# KiCad board Win-split-right.kicad_pcb (continued)
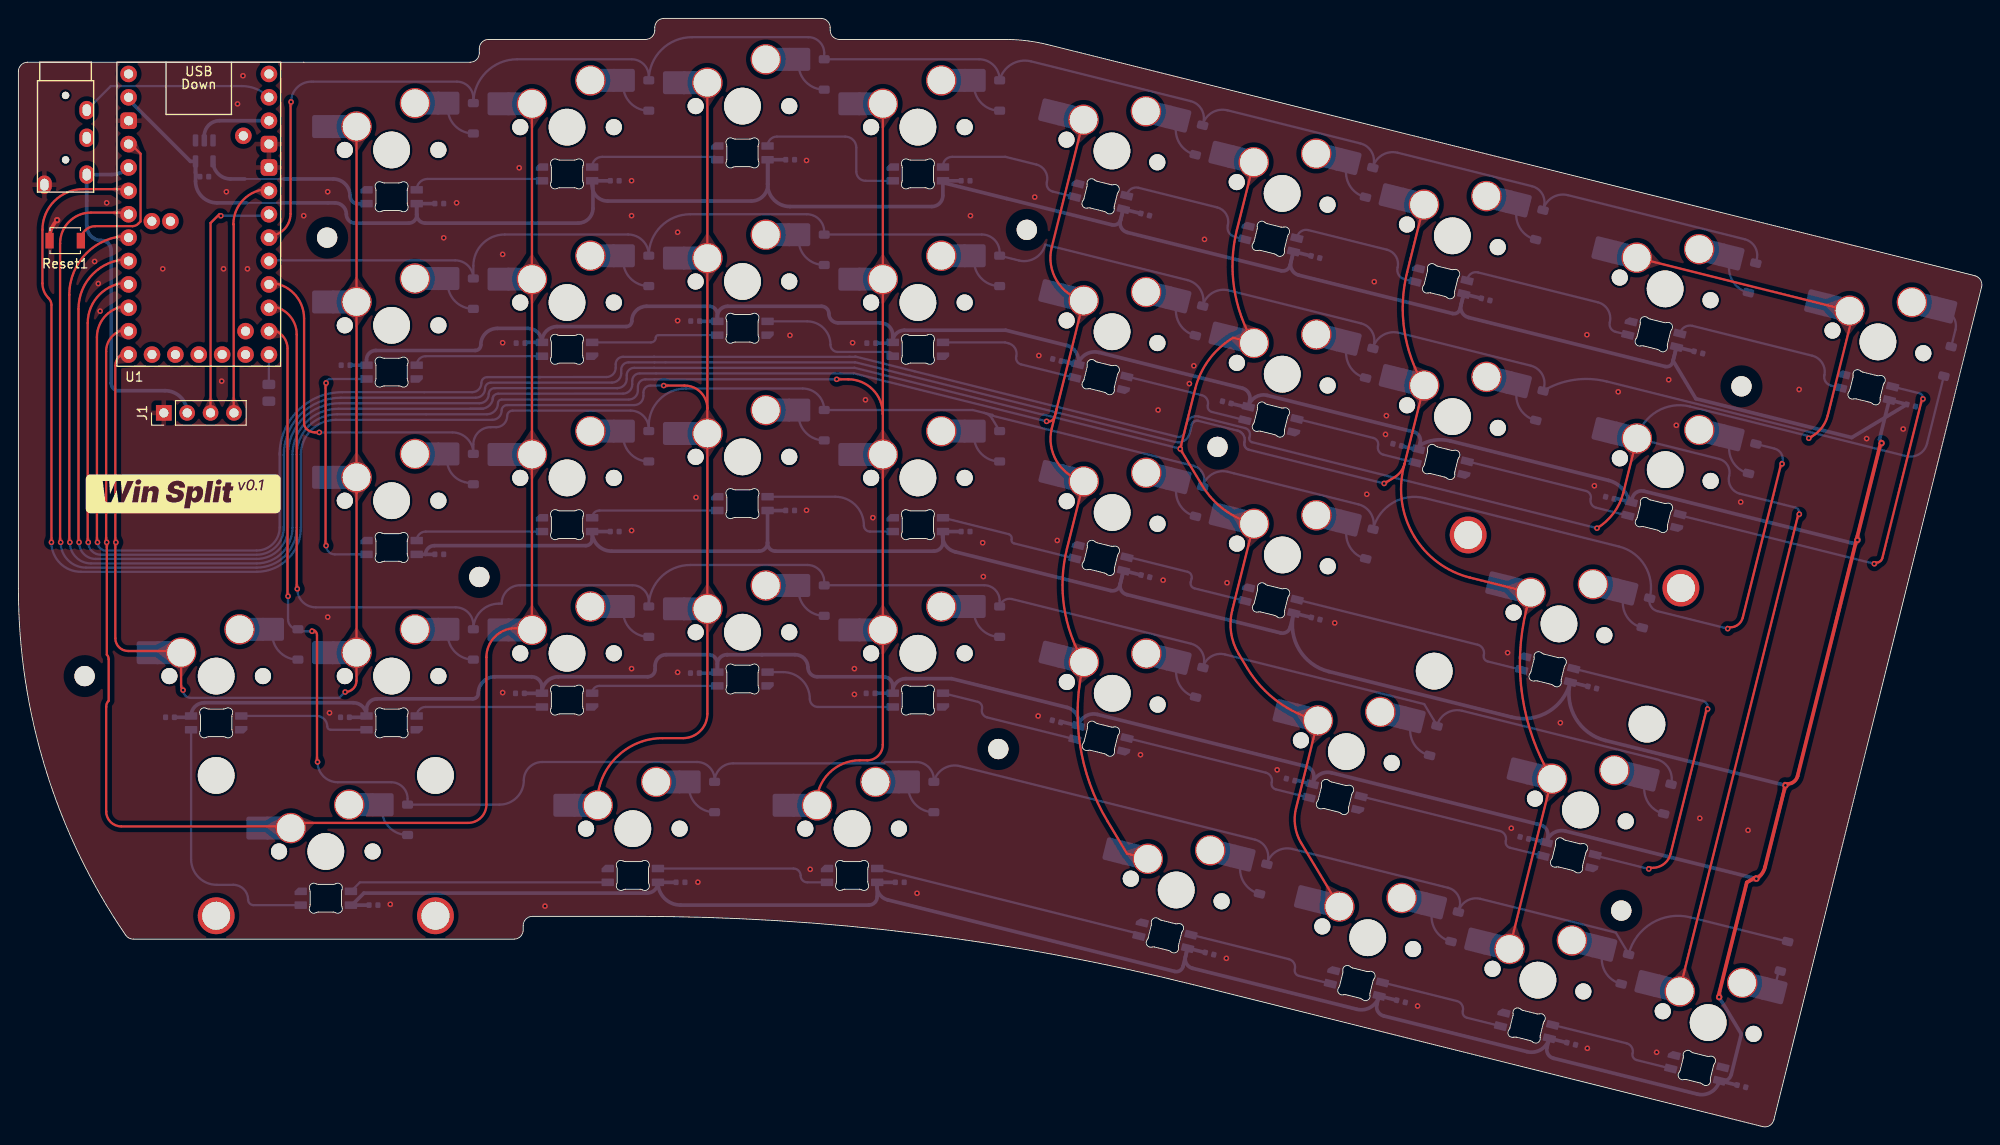
[diagram p0: board, top side]
## Routing (per net, layer and track width the routed paths; a pad name or vN(x,y) marks a point on that pad's centre or on a via; arc(x,y) is an arc through that point) (continued)
GND: length 2.4
  Top w0.4: Reset1.2 3.38,96.51 arc(3.59,97.58) v2(4.2,98.49)
  vias: v1(8.27,94) v1(8.67,91.6) v1(8.87,88.6) v1(9.58,100.37) v1(15.67,93.2) v1(22.07,81) v1(22.27,93.2) v1(22.58,101.57) v1(23.79,111.11) v1(24.38,114.17) v1(24.87,93.2) v1(30.98,98.97) v1(33.58,101.57) v1(33.58,55.37) v1(33.78,44.97) v1(40.38,24.17) v1(46.18,96.57) v1(47.58,100.37) v1(52.58,94.77) v1(52.58,85.17) v1(52.58,47.17) v1(54.38,104.17) v1(57.18,23.97) v1(66.58,102.77) v1(66.58,98.97) v1(66.58,64.77) v1(66.58,49.77) v1(71.58,97.17) v1(71.58,87.57) v1(71.58,49.37) v1(73.58,68.37) v1(73.78,26.57) v1(83.78,85.97) v1(85.58,104.97) v1(85.58,66.97) v1(85.98,27.97) v1(90.58,85.17) v1(90.78,49.77) v1(90.78,46.97) v1(91.98,78.97) v1(92.78,66.17) v1(97.58,25.37) v1(103.38,98.97) v1(104.71,63.45) v1(104.78,59.77) v1(110.36,101) v1(110.74,44.63) v1(110.81,83.78) v1(112.81,63.7) v1(121.85,40.42) v1(123.76,77.87) v1(124.31,59.39) v1(127.16,80.73) v1(127.64,82.67) v1(128.8,96.4) v1(131.17,18.31) v1(131.25,59.1) v1(136.69,38.78) v1(142.94,54.74) v1(146.42,68.71) v1(147.23,91.8) v1(148.46,75.22) v1(148.55,77.25) v1(151.94,13.13) v1(161.71,51.5) v1(162.11,32.44) v1(167.44,43.89) v1(170.33,86.05) v1(170.37,8.53) v1(171.14,69.64) v1(173.72,79.84) v1(177.89,8.1) v1(179.21,81.15) v1(180.03,76.21) v1(182.58,33.52) v1(187.02,67.87) v1(187.82,32.21) v1(193.37,80.09) v1(200.7,74.76) v1(204.67,75.8)
VCC: length 39.1
  Top w0.4: 7.33,103.59 arc(7.34,103.61) 7.36,103.62
  Bottom w0.4: TRRS1.2 7.42,100.6 7.42,97.85 arc(7.88,96.75) 8.99,96.29 arc(9.75,95.97) 10.07,95.2 10.07,80.8 arc(10.32,80.21) 10.91,79.96 15.92,79.96 arc(17.62,79.26) J1.2 ; TRRS1.2 10.11,103.44 arc(11.11,103.64) U1.3v3 ; TRRS1.2 arc(7.46,103.42) 7.47,103.39
COL0: length 124.3
  Top w0.25: MX1.1 MX9.1 MX17.1 36.71,68.86 MX25.1 36.72,48.47 arc(36.35,47.59) v1(35.48,47.23) ; 17.61,51.69 11.91,51.69 arc(10.93,52.09) 10.53,53.07 10.53,63.67 10.53,82.69 arc(10.93,83.67) 11.91,84.07 ; MX32.1 17.66,47.95 arc(17.72,47.67) v1(17.88,47.43)
  Bottom w0.25: MX25.1 33.14,51.53 ; v1(35.48,47.23) 34.84,46.6 18.72,46.6 arc(18.13,46.84) v1(17.88,47.43) ; 17.69,51.53 arc(17.67,51.52) MX32.1
  vias: v1(10.59,63.49)
COL1: length 177.1
  Top w0.25: MX2.1 MX10.1 MX18.1 MX26.1 ; 55.71,54.16 53.97,54.16 arc(51.74,53.24) 50.82,51.02 50.82,35.02 arc(50.23,33.6) 48.82,33.02 29.89,33.02 arc(29.62,32.91) 29.51,32.64 11.16,32.64 arc(10.01,33.12) 9.53,34.27 9.53,45.64 arc(9.6,45.99) 9.8,46.29 9.8,50.81 arc(9.75,51.07) 9.6,51.29 9.6,63.46 arc(9.6,63.47) v1(9.59,63.49) ; 11.91,86.61 arc(10.22,85.92) 9.53,84.23 9.53,63.67 arc(9.53,63.67) 9.53,63.67
COL2: length 221.7
  Top w0.25: v1(3.59,63.49) 3.59,89.27 arc(3.5,89.68) 3.28,90.02 arc(2.78,90.76) 2.61,91.63 2.61,97.44 arc(3.9,100.56) 7.02,101.85 11.91,101.85 ; 74.82,78.04 MX19.1 MX27.1 74.82,44.87 arc(74.04,43) 72.17,42.22 69.96,42.22 arc(64.93,40.14) 62.85,35.11 ; 74.82,78.04 MX11.1 MX3.1 ; 74.82,78.04 arc(74.09,79.79) 72.33,80.52 v1(70.07,80.52)
  Bottom w0.25: v1(70.07,80.52) 68.62,80.52 arc(68.09,80.3) 67.87,79.77 67.87,79.4 arc(67.58,78.69) 66.87,78.4 53.07,78.4 arc(52.65,78.23) 52.47,77.8 arc(52.18,77.09) 51.47,76.8 34.47,76.8 arc(31.79,75.69) 30.67,73 30.67,65.09 arc(29.27,61.7) 25.87,60.29 6.78,60.29 arc(4.52,61.23) v1(3.59,63.49)
COL3: length 231.8
  Top w0.25: 11.91,99.31 7.88,99.31 arc(5.51,98.33) 4.53,95.95 4.53,63.67 ; MX4.1 MX12.1 93.87,77.44 ; 93.81,111.31 93.81,109.8 ; v1(88.86,81.2) 90.1,81.2 arc(92.76,80.1) 93.87,77.44 ; 93.87,77.44 MX20.1 MX28.1 93.87,41.51 arc(93.37,40.31) 92.17,39.82 91.36,39.82 arc(88.04,38.44) 86.66,35.11
  Bottom w0.25: v1(88.86,81.2) 69.07,81.2 arc(69.07,81.2) 69.07,81.2 68.07,81.2 arc(67.51,80.96) 67.27,80.4 67.27,80 arc(66.98,79.29) 66.27,79 52.47,79 arc(52.19,78.88) 52.07,78.6 arc(51.72,77.75) 50.87,77.4 34.62,77.4 arc(31.51,76.11) 30.22,73 30.22,65.09 arc(28.94,62.02) 25.87,60.75 7.33,60.75 arc(5.39,61.55) v1(4.59,63.49)
COL4: length 251.9
  Top w0.25: 5.53,63.67 5.53,90.39 arc(7.39,94.9) 11.91,96.77 ; 112.73,77.95 MX13.1 arc(112.75,91.92) 112.21,95.53 MX5.1 ; 112.73,77.95 112.22,75.89 arc(112.76,72.29) MX21.1 113.86,62.79 arc(113.56,56.45) MX29.1 arc(115.27,41.56) 118.29,33.16 120.38,29.68 MX36.1 ; 112.73,77.95 112.54,77.17 arc(112.2,76.72) v1(111.65,76.63)
  Bottom w0.25: 49.07,78 34.76,78 arc(31.23,76.54) 29.76,73 29.76,65.09 arc(28.62,62.34) 25.87,61.2 7.87,61.2 arc(6.26,61.87) v1(5.59,63.49) ; 49.07,78 50.47,78 ; 49.07,78 50.24,78 arc(51.17,78.39) 51.56,79.32 ; v1(111.65,76.63) 90.71,81.85 arc(90.7,81.85) 90.69,81.84 88.66,81.84 69.25,81.84 67.46,81.84 arc(66.89,81.61) 66.66,81.04 66.66,80.65 arc(66.36,79.94) 65.66,79.65 56.47,79.64 52.11,79.64 arc(51.66,79.45) 51.47,79
COL5: length 267.2
  Top w0.25: MX6.1 132.32,97.45 arc(132.02,91.12) MX14.1 131.9,85.71 arc(129.29,83.34) 127.78,80.15 v1(126.16,73.64) 128.54,69.67 arc(130.94,67.03) MX22.1 134.15,65.49 131.81,56.1 arc(131.69,53.67) 132.51,51.38 133.45,49.82 arc(136.72,46.22) MX30.1 138.74,34.6 arc(138.64,32.65) 139.3,30.82 MX37.1 ; 126.3,73.77 126.1,73.82 ; 6.53,63.67 6.53,88.85 arc(8.1,92.66) 11.91,94.23
  Bottom w0.25: v1(126.16,73.64) arc(126.16,73.66) 126.14,73.67 111.32,77.37 111.28,77.34 90.79,82.45 arc(90.77,82.45) 90.76,82.44 69.03,82.44 arc(69.03,82.44) 69.03,82.45 66.86,82.45 arc(66.29,82.21) 66.06,81.65 66.06,81.25 arc(65.76,80.54) 65.06,80.25 arc(65.05,80.24) 65.05,80.24 56.46,80.24 51.71,80.24 arc(51.26,80.05) 51.07,79.6 arc(50.78,78.89) 50.07,78.6 34.87,78.6 arc(30.91,76.96) 29.27,73 29.27,65.09 arc(28.28,62.69) 25.87,61.69 8.38,61.69 arc(7.11,62.22) v1(6.59,63.49)
COL6: length 287
  Top w0.25: 7.53,63.67 7.53,87.31 arc(8.81,90.41) 11.91,91.69 ; 150.52,72.03 MX15.1 arc(150.5,86.51) 150.81,92.84 MX7.1 ; 150.52,72.03 150.44,71.69 arc(150.25,67.81) 151.57,64.15 arc(154.15,61.3) 157.63,59.66 MX23.1 163.77,56.27 arc(163.32,46.76) MX31.1 166.51,37.79 161.92,19.38 arc(161.92,19.35) MX38.1 ; 150.52,72.03 arc(150.13,71.19) 149.44,70.57 v1(148.3,69.89)
  Bottom w0.25: v1(148.3,69.89) 133.63,73.54 133.56,73.56 133.42,73.63 133.31,73.73 133.21,73.85 133.15,73.99 133.12,74.14 133.12,74.29 133.14,74.37 133.16,74.47 133.17,74.67 133.14,74.87 133.07,75.07 132.97,75.24 132.83,75.39 132.66,75.51 132.48,75.6 132.38,75.63 128.13,76.69 128.06,76.7 127.93,76.7 127.81,76.68 127.69,76.62 127.59,76.55 127.5,76.45 127.44,76.33 127.43,76.27 127.27,75.63 127.24,75.53 127.19,75.33 arc(126.6,74.54) 125.63,74.39 96.81,81.58 arc(96.81,81.57) 96.8,81.57 90.86,83.06 arc(90.84,83.05) 90.83,83.04 70.25,83.04 69.07,83.04 arc(69.07,83.04) 69.07,83.04 66.26,83.04 arc(65.69,82.81) 65.46,82.24 65.46,81.85 arc(65.16,81.14) 64.46,80.85 56.46,80.84 51.31,80.84 arc(50.86,80.65) 50.67,80.2 arc(50.38,79.49) 49.67,79.2 35.02,79.2 arc(30.63,77.39) 28.82,73 28.82,65.09 arc(27.95,63.01) 25.87,62.15 8.93,62.15 arc(7.98,62.54) v1(7.59,63.49)
COL7: length 357.5
  Top w0.25: v1(194.42,74.79) 194.82,75.04 arc(195.87,75.99) 196.47,77.27 199.02,87.47 arc(199.05,88.08) MX16.1 ; 175.68,94.6 175.8,94.39 198.58,88.71 arc(198.7,88.73) 198.78,88.83 ; 193.33,66.73 180.42,14.94 arc(180.39,14.9) 180.35,14.9 ; 8.53,63.67 8.53,85.77 arc(9.52,88.16) 11.91,89.15 ; 175.72,74.73 arc(175.73,74.76) MX24.1 174.29,68.91 arc(173.24,66.69) v1(171.42,65.03)
  Bottom w0.25: v1(171.42,65.03) 133.96,74.37 arc(133.72,74.55) 133.67,74.85 133.72,75.05 arc(133.64,75.58) 133.2,75.9 128.17,77.16 arc(127.33,77.03) 126.83,76.35 126.59,75.39 arc(126.32,75.02) 125.86,74.95 97.34,82.06 90.9,83.67 arc(90.87,83.65) 90.84,83.65 90.26,83.65 69.03,83.65 arc(69.03,83.64) 69.03,83.64 65.66,83.64 arc(65.09,83.41) 64.86,82.84 64.86,82.45 arc(64.56,81.74) 63.86,81.45 56.47,81.44 56.66,81.44 50.91,81.44 arc(50.46,81.25) 50.27,80.8 arc(49.98,80.09) 49.27,79.8 44.07,79.8 35.16,79.8 arc(30.35,77.81) 28.36,73 ; v1(194.42,74.79) 194.25,75.07 181.52,78.25 arc(177.92,77.71) MX24.1 184.67,72.55 arc(185.6,71.86) 185.77,70.71 arc(185.95,69.5) 186.94,68.77 192.95,67.28 arc(193.32,67) v1(193.39,66.55) ; 28.37,73.2 28.37,65.09 arc(27.64,63.33) 25.87,62.6 9.47,62.6 arc(8.85,62.86) v1(8.59,63.49)
DATA: length 21.2
  Bottom w0.25: TRRS1.4 10.04,113.05 24.25,113.05 arc(25.85,112.74) U1.0
LED_3v3: length 8.5
  Bottom w0.4: U2.2 20.18,107.64 arc(20.66,108.81) 21.83,109.29 U1.1
LED_5v: length 19.3
  Bottom w0.2: 28.79,102.96 24.59,102.96
  Bottom w0.4: 24.59,102.96 23.04,102.96 arc(21.69,103.52) U2.4 ; LED1.3 36.86,100.28 arc(36.26,100.53) 36.01,101.13 arc(35.47,102.43) 34.18,102.96 28.79,102.96
RESET: length 17.4
  Top w0.25: 12.66,106.93 11.91,106.93 ; 8.35,97.84 12.39,97.84 arc(12.72,97.9) 13,98.09 13.26,98.35 13.26,105.71 12.39,106.57 arc(12.2,106.7) U1.RST ; Reset1.1 arc(7.24,97.38) 8.36,97.84
ROW0: length 202
  Top w0.25: 29.55,111.52 29.55,99.18 arc(28.85,97.48) 27.15,96.77
  Bottom w0.25: D7.1 165.71,100.18 ; D7.1 165.67,100 arc(165.46,101.36) 164.36,102.17 149.78,105.81 arc(148.09,105.56) D6.1 147.14,104.47 arc(146.93,105.94) 145.73,106.82 131.3,110.42 arc(129.61,110.17) D5.1 128.67,109.12 arc(128.46,110.56) 127.3,111.42 109.97,115.74 arc(107.84,115.42) D4.1 106.55,113.73 arc(105.9,115.31) 104.32,115.97 D3.1 87.5,116.65 arc(87,117.86) 85.79,118.36 73.14,118.36 arc(69.82,116.99) D2.1 68.45,114.1 arc(67.91,115.42) 66.59,115.96 54.16,115.96 arc(50.8,114.57) D1.1 49.4,111.74 arc(48.88,113.01) 47.61,113.53 32.01,113.53 31.81,113.53 arc(30.25,112.89) v1(29.61,111.33) ; D7.1 arc(166.57,100.95) 168.26,101.2 187.45,96.42 arc(188.56,95.6) 188.77,94.23 D8.1
ROW1: length 211
  Bottom w0.25: U1.5 27.28,94.12 47.43,94.12 arc(48.83,93.54) D9.1 49.4,93.52 arc(50.4,95.93) 52.81,96.93 66.2,96.93 arc(67.79,96.27) 68.45,94.68 D10.1 arc(69.77,97.81) 72.95,99.13 85.61,99.13 arc(86.95,98.58) 87.5,97.24 D11.1 arc(87.51,96.93) 87.52,96.93 104.61,96.93 arc(105.98,96.36) 106.55,94.99 D12.1 108.64,94.11 arc(110.42,94.38) 111.5,95.83 126.95,91.98 arc(128.36,90.94) 128.61,89.21 D13.1 arc(129.67,90.59) 131.43,90.86 145.79,87.28 arc(146.97,86.41) 147.19,84.96 D14.1 arc(148.15,85.99) 149.92,86.25 164.23,82.68 arc(165.44,81.79) 165.66,80.3 D15.1 ; D16.1 207.26,74.22 arc(206.41,73.07) 204.99,72.86 172.46,80.97 arc(168.91,81.14) D15.1 ; D15.1 arc(165.6,79.94) 165.61,79.96
ROW2: length 222.3
  Top w0.25: v1(32.67,75.43) 32.21,75.43 arc(31.7,75.53) 31.28,75.82 arc(31.09,76.1) 31.02,76.43 31.02,87.82 arc(29.89,90.56) 27.15,91.69 ; 191.46,72.2 187.25,55.32 arc(186.61,54.46) 185.55,54.3
  Bottom w0.25: 104.88,77.55 103.63,77.87 D19.1 arc(86.82,79.52) 85.17,80.2 72.47,80.2 arc(69.63,79.02) 68.45,76.18 D18.1 68.45,75.82 arc(67.87,77.22) 66.47,77.8 53.67,77.8 arc(53.25,77.63) 53.07,77.2 arc(52.72,76.35) 51.87,76 51.27,76 arc(49.95,75.45) 49.4,74.13 D17.1 49.4,73.15 arc(48.73,74.77) 47.12,75.43 v1(32.67,75.43) ; 104.88,77.55 105.76,77.33 105.83,77.23 127.62,71.8 arc(128.55,71.11) 128.72,69.96 D21.1 arc(129.64,70.9) 131.33,71.15 145.51,67.62 arc(146.86,66.62) 147.11,64.96 D22.1 arc(149.21,67.77) 152.73,68.29 160.57,66.34 173.8,63.04 arc(176.63,60.95) 177.15,57.47 D23.1 arc(177.27,56.55) 177.98,56.02 v1(185.61,54.12) ; 104.88,77.55 arc(105.38,77.32) 105.75,76.91 D20.1 ; v1(191.52,72.02) 191.57,72.21 arc(191.43,73.13) 190.69,73.68 D24.1
ROW3: length 203.2
  Top w0.25: 30.22,58.62 30.22,86.08 arc(29.32,88.25) 27.15,89.15
  Bottom w0.25: D31.1 179.47,37.26 arc(179.22,38.93) 177.86,39.94 156.78,45.19 arc(155.07,44.94) D30.1 154.06,43.6 152.66,45.92 131.01,51.32 arc(129.52,51.09) D29.1 128.71,50.19 arc(128.49,51.62) 127.33,52.48 107.89,57.33 arc(107.05,57.21) D28.1 106.55,57.16 arc(106.06,58.34) 104.88,58.83 87.52,58.83 arc(87.51,58.83) D27.1 87.5,59.21 arc(86.97,60.5) 85.68,61.03 72.96,61.03 arc(69.77,59.71) D26.1 68.45,57.06 arc(67.93,58.31) 66.68,58.83 54.48,58.83 arc(53.07,58.25) 52.48,56.83 52.18,56.83 arc(50.22,56.02) D25.1 49.4,54.51 arc(48.84,55.87) 47.48,56.43 32.28,56.43 arc(30.87,57.02) v1(30.28,58.43)
ROW4: length 231.7
  Top w0.25: 32.42,39.82 32.42,53.42 arc(32.24,53.84) 31.82,54.02 ; 29.22,57.82 29.22,84.54 arc(28.61,86) 27.15,86.61
  Bottom w0.25: v1(31.88,53.83) 30.57,53.83 arc(30.42,53.9) D32.1 arc(29.59,54.37) 29.28,55.12 v1(29.28,57.63) ; D39.1 181.56,22.76 arc(177.37,22.13) D38.1 174.86,18.78 173.47,21.1 158.75,24.77 arc(157.26,24.55) D37.1 156.5,23.88 arc(156.31,25.18) 155.24,25.97 138.34,30.18 arc(136.61,29.93) D36.1 135.67,28.9 arc(135.45,30.33) 134.28,31.2 102.25,39.18 arc(100.47,38.92) D35.1 99.41,37.71 arc(98.84,39.07) 97.48,39.63 94.14,39.63 93.99,39.48 77.6,39.48 arc(76.18,38.9) D34.1 75.6,37.72 arc(75.03,39.07) 73.68,39.63 56.88,39.63 arc(55.47,39.05) 54.88,37.63 arc(54.11,35.77) 52.25,35 D33.1 42.26,35.66 arc(41.74,36.91) 40.48,37.43 34.68,37.43 arc(33.13,38.08) v1(32.48,39.63)
SCL: length 27.4
  Top w0.25: 21.93,99.15 21.83,99.15 20.87,98.18 J1.3
  Bottom w0.25: v1(21.99,98.96) 27.04,98.96 arc(27.16,99.01) U1.3
SDA: length 26.3
  Top w0.25: 23.35,77.74 23.37,77.77 23.37,98.02 23.35,98.05 arc(24.46,100.74) 27.15,101.85
Net-(D1-A): length 4.9
  Bottom w0.25: MX1.2 46.62,110.69 arc(47.43,108.72) D1.2
Net-(D2-A): length 4.9
  Bottom w0.25: MX2.2 65.67,113.17 arc(66.48,111.2) D2.2
Net-(D3-A): length 4.9
  Bottom w0.25: MX3.2 84.72,115.45 arc(85.53,113.48) D3.2
Net-(D4-A): length 4.9
  Bottom w0.25: MX4.2 103.77,113.17 arc(104.58,111.2) D4.2
Net-(D5-A): length 4.9
  Bottom w0.25: MX5.2 125.76,108.97 arc(126.08,106.86) D5.2
Net-(D6-A): length 4.9
  Bottom w0.25: MX6.2 144.25,104.36 arc(144.56,102.25) D6.2
Net-(D7-A): length 4.9
  Bottom w0.25: MX7.2 162.73,99.75 arc(163.05,97.64) D7.2
Net-(D8-A): length 4.9
  Bottom w0.25: MX8.2 185.84,93.99 arc(186.15,91.88) D8.2
Net-(D9-A): length 4.9
  Bottom w0.25: MX9.2 46.62,91.64 arc(47.43,89.67) D9.2
Net-(D10-A): length 4.9
  Bottom w0.25: MX10.2 65.67,94.12 arc(66.48,92.15) D10.2
Net-(D11-A): length 4.9
  Bottom w0.25: MX11.2 84.72,96.4 arc(85.53,94.43) D11.2
Net-(D12-A): length 4.9
  Bottom w0.25: MX12.2 103.77,94.12 arc(104.58,92.15) D12.2
Net-(D13-A): length 4.9
  Bottom w0.25: MX13.2 125.77,89.33 arc(126.09,87.22) D13.2
Net-(D14-A): length 4.9
  Bottom w0.25: MX14.2 144.26,84.72 arc(144.57,82.61) D14.2
Net-(D15-A): length 4.9
  Bottom w0.25: MX15.2 162.74,80.12 arc(163.06,78.01) D15.2
Net-(D16-A): length 5.2
  Bottom w0.25: D16.2 210.34,86.59 arc(210.14,87.92) MX16.2 208.94,88.23
Net-(D17-A): length 4.9
  Bottom w0.25: D17.2 48.45,70.04 arc(46.9,71.19) MX17.2
Net-(D18-A): length 4.9
  Bottom w0.25: MX18.2 65.67,75.07 arc(66.48,73.1) D18.2
Net-(D19-A): length 4.9
  Bottom w0.25: MX19.2 84.72,77.35 arc(85.53,75.38) D19.2
Net-(D20-A): length 4.9
  Bottom w0.25: MX20.2 103.77,75.07 arc(104.58,73.1) D20.2
Net-(D21-A): length 4.9
  Bottom w0.25: MX21.2 125.79,69.7 arc(126.1,67.59) D21.2
Net-(D22-A): length 4.9
  Bottom w0.25: MX22.2 144.27,65.09 arc(144.59,62.98) D22.2
Net-(D23-A): length 4.9
  Bottom w0.25: MX23.2 174.31,57.6 arc(174.62,55.49) D23.2
Net-(D24-A): length 4.9
  Bottom w0.25: MX24.2 185.85,74.36 arc(186.16,72.25) D24.2
Net-(D25-A): length 4.9
  Bottom w0.25: MX25.2 46.62,53.54 arc(47.43,51.57) D25.2
Net-(D26-A): length 4.9
  Bottom w0.25: MX26.2 65.67,56.02 arc(66.48,54.05) D26.2
Net-(D27-A): length 4.9
  Bottom w0.25: MX27.2 84.72,58.3 arc(85.53,56.33) D27.2
Net-(D28-A): length 4.9
  Bottom w0.25: MX28.2 103.77,56.02 arc(104.58,54.05) D28.2
Net-(D29-A): length 4.9
  Bottom w0.25: MX29.2 125.8,50.06 arc(126.11,47.95) D29.2
Net-(D30-A): length 4.9
  Bottom w0.25: MX30.2 151.22,43.72 arc(151.53,41.61) D30.2
Net-(D31-A): length 4.9
  Bottom w0.25: MX31.2 176.63,37.39 arc(176.95,35.28) D31.2
Net-(D32-A): length 4.9
  Bottom w0.25: MX32.2 27.57,53.54 arc(28.38,51.57) D32.2
Net-(D33-A): length 4.9
  Bottom w0.25: MX33.2 39.47,34.49 arc(40.29,32.52) D33.2
Net-(D34-A): length 4.9
  Bottom w0.25: MX34.2 72.81,36.97 arc(73.62,35) D34.2
Net-(D35-A): length 4.9
  Bottom w0.25: MX35.2 96.62,36.97 arc(97.44,35) D35.2
Net-(D36-A): length 4.9
  Bottom w0.25: MX36.2 132.74,28.7 arc(133.06,26.59) D36.2
Net-(D37-A): length 4.9
  Bottom w0.25: MX37.2 153.54,23.51 arc(153.85,21.4) D37.2
Net-(D38-A): length 4.9
  Bottom w0.25: MX38.2 172.02,18.9 arc(172.34,16.79) D38.2
Net-(D39-A): length 2.8
  Bottom w0.25: 190.51,14.29 MX39.2 191.13,16.81 arc(191.21,16.91) D39.2
Net-(LED1-DOUT): length 14.4
  Bottom w0.25: LED2.3 arc(56.79,102.9) 56.65,102.96 44.43,102.96 arc(43.6,102.62) LED1.2
Net-(LED2-DOUT): length 14.4
  Bottom w0.25: LED2.2 62.3,104.28 arc(62.62,105.05) 63.39,105.36 75.58,105.36 arc(75.81,105.27) LED3.3
Net-(LED3-DOUT): length 18
  Bottom w0.25: LED3.2 arc(81.65,107.27) 82.37,107.56 89.79,107.56 arc(90.64,107.21) 90.99,106.36 90.99,103.76 arc(91.28,103.06) 91.99,102.76 94.95,102.76 arc(94.95,102.76) LED4.3
Net-(LED4-DOUT): length 17.2
  Bottom w0.25: LED4.2 100.4,104.38 arc(100.69,105.08) 101.39,105.36 107.19,105.36 110.54,104.53 arc(111.51,103.82) 111.68,102.63 arc(111.78,101.99) 112.3,101.6 LED5.3
Net-(LED5-DOUT): length 15.8
  Bottom w0.25: LED5.2 120.37,101.25 arc(120.84,101.89) 121.63,102.01 130.17,99.88 arc(131.15,99.15) 131.33,97.94 arc(131.45,97.14) 132.09,96.67 LED6.3
Net-(LED6-DOUT): length 15.8
  Bottom w0.25: LED7.3 150.53,92.07 arc(149.88,92.55) 149.77,93.34 arc(149.59,94.55) 148.6,95.28 140.06,97.41 arc(139.32,97.3) 138.87,96.69 138.83,96.53
Net-(LED7-DOUT): length 20.6
  Bottom w0.25: LED7.2 157.36,92.13 arc(157.79,92.71) 158.5,92.81 171.5,89.57 arc(172.61,88.75) 172.81,87.39 arc(172.91,86.75) 173.43,86.36 LED8.3
Net-(LED10-DIN): length 14
  Bottom w0.25: LED10.3 68.69,85.21 arc(69.06,85.36) 69.21,85.73 arc(69.29,85.92) 69.48,86 LED11.2
Net-(LED10-DOUT): length 14.2
  Bottom w0.25: LED10.2 44.23,83.71 arc(43.54,83.43) LED9.3
Net-(LED11-DIN): length 15.8
  Bottom w0.25: LED11.3 85.65,87.5 arc(87.44,86.75) 88.18,84.96 arc(88.41,84.4) 88.97,84.17 94.49,84.17 arc(94.81,84.04) LED12.2
Net-(LED12-DIN): length 16.1
  Bottom w0.25: LED13.2 108.87,82.82 arc(108.44,83.15) 108.36,83.69 arc(108.22,84.58) 107.49,85.12 107.13,85.21 LED12.3
Net-(LED13-DIN): length 14.5
  Bottom w0.25: LED13.3 128.5,79.48 arc(129.06,79.07) 129.16,78.38 arc(129.23,77.93) 129.6,77.66 LED14.2
Net-(LED14-DIN): length 14.5
  Bottom w0.25: LED14.3 147.13,74.83 arc(147.56,74.51) 147.64,73.98 arc(147.73,73.38) 148.23,73.01 LED15.2
Net-(LED15-DIN): length 19.2
  Bottom w0.25: LED24.2 171.32,67.25 arc(170.83,67.62) 170.74,68.22 arc(170.66,68.75) 170.23,69.07 LED15.3
Net-(LED16-DIN): length 20.6
  Bottom w0.25: LED8.2 180.42,86.19 arc(180.93,86.88) 181.79,87.01 194.79,83.76 arc(195.89,82.94) 196.1,81.58 ; LED16.3 196.81,80.53 arc(196.23,80.96) 196.12,81.68
Net-(LED16-DOUT): length 44.8
  Top w0.25: 206.76,79.25 202.41,61.79 arc(202.11,61.39) 201.61,61.31 201.47,61.35
  Bottom w0.25: LED16.2 206.46,79.67 arc(206.76,79.45) v1(206.82,79.07) ; v1(201.53,61.16) 180.5,66.41 arc(180.44,66.45) LED24.3
Net-(LED17-DIN): length 27.2
  Top w0.25: 33.35,80.98 33.35,63.32
  Bottom w0.25: LED9.2 33.84,81.23 arc(33.54,81.11) v1(33.41,80.8) ; LED17.3 34.36,62.18 arc(33.69,62.46) v1(33.41,63.13)
Net-(LED17-DOUT): length 14.2
  Bottom w0.25: LED18.3 44.23,64.66 arc(43.54,64.38) LED17.2
Net-(LED18-DOUT): length 14
  Bottom w0.25: LED19.3 63.09,66.95 arc(62.53,66.72) LED18.2
Net-(LED19-DOUT): length 15.8
  Bottom w0.25: LED20.3 92.48,64.66 arc(92.01,64.86) 91.81,65.33 arc(90.9,67.53) 88.7,68.45 LED19.2
Net-(LED20-DOUT): length 15.4
  Bottom w0.25: LED20.2 107.51,64.39 arc(107.8,64.17) 107.85,63.82 arc(107.89,63.54) 108.11,63.38 LED21.3
Net-(LED21-DOUT): length 14.7
  Bottom w0.25: LED22.3 127.71,58.49 arc(127.37,58.75) 127.3,59.17 127.4,59.56 arc(127.33,60.02) 126.96,60.29 120.44,61.92 arc(120.4,61.91) LED21.2
Net-(LED22-DOUT): length 26.4
  Bottom w0.25: LED22.2 158.45,52.38 arc(159.02,51.95) 159.13,51.24 arc(159.19,50.81) 159.54,50.56 LED23.3
Net-(LED23-DOUT): length 41.2
  Top w0.25: 183.37,45.57 179.41,29.66 arc(178.5,28.42) 176.98,28.2
  Bottom w0.25: v1(177.04,28.02) 171.28,29.45 arc(171.22,29.49) LED31.3 ; LED23.2 182.9,46.28 arc(183.35,45.94) v1(183.43,45.39)
Net-(LED25-DIN): length 14.2
  Bottom w0.25: LED26.2 44.23,45.61 arc(43.54,45.33) LED25.3
Net-(LED25-DOUT): length 14.5
  Bottom w0.25: LED32.3 32.4,44.63 arc(33.2,44.3) 33.54,43.49 arc(33.64,43.24) 33.9,43.13 LED25.2
Net-(LED26-DIN): length 14
  Bottom w0.25: LED27.2 63.09,47.9 arc(62.53,47.67) LED26.3
Net-(LED27-DIN): length 15.8
  Bottom w0.25: LED28.2 86.82,45.61 arc(86.2,45.87) 85.94,46.49 arc(85.09,48.55) 83.03,49.4 LED27.3
Net-(LED28-DIN): length 15.9
  Bottom w0.25: LED28.3 104.17,46.17 arc(104.56,45.88) 104.64,45.39 arc(104.72,44.82) 105.19,44.48 LED29.2
Net-(LED29-DIN): length 21.6
  Bottom w0.25: LED30.2 136.54,36.66 arc(136.17,36.94) 136.1,37.4 arc(136,38.07) 135.45,38.48 LED29.3
Net-(LED30-DIN): length 21.6
  Bottom w0.25: LED31.2 161.96,30.32 arc(161.59,30.6) 161.52,31.06 arc(161.42,31.73) 160.87,32.14 LED30.3
Net-(LED32-DOUT): length 28.8
  Bottom w0.25: 30.66,24.08 25.55,24.08 arc(25.12,24.26) 24.94,24.69 arc(24.47,25.82) 23.34,26.29 21.54,26.29 arc(19.57,27.11) 18.75,29.08 LED32.2
Net-(LED33-DOUT): length 28.3
  Bottom w0.25: LED33.2 37.08,26.56 LED34.3
Net-(LED34-DOUT): length 19.2
  Bottom w0.25: LED34.2 84.17,28.06 arc(84.71,27.84) 84.94,27.29 arc(85.15,26.77) 85.67,26.56 87.81,26.56
Net-(LED35-DOUT): length 29.5
  Bottom w0.25: LED35.2 121.5,21.02 arc(121.65,20.91) LED36.3
Net-(LED36-DOUT): length 16.8
  Bottom w0.25: LED37.3 139.05,16.4 arc(138.68,16.68) 138.61,17.13 arc(138.51,17.81) 137.96,18.22 LED36.2
Net-(LED37-DOUT): length 14.5
  Bottom w0.25: LED37.2 156.2,13.67 arc(156.75,13.26) 156.85,12.58 arc(156.92,12.13) 157.29,11.85 LED38.3
Net-(LED38-DOUT): length 14.5
  Bottom w0.25: LED38.2 174.63,9.07 arc(175.19,8.67) 175.29,7.99 arc(175.35,7.53) 175.73,7.26 LED39.3
Net-(R3-Pad2): length 3.2
  Bottom w0.25: R3.2 27.2,83.88 arc(27.2,83.89) U1.9

## Copper pours and planes (outline as drawn; the poured copper is in the pictures)
GND on Top, Bottom: -5.01,123.36 192.19,123.36 223.99,91.56 223.99,27.36 190.39,-6.24 30.99,-6.24 -5.61,30.36 -5.61,122.76

Small or netless copper shapes (teardrops, artwork), in the pictures only: 123 on Top, 396 on Bottom
